# Altium PCB HV_DAC_8ch-DIOT.PCBDOC (part 8 of 11) (continued)
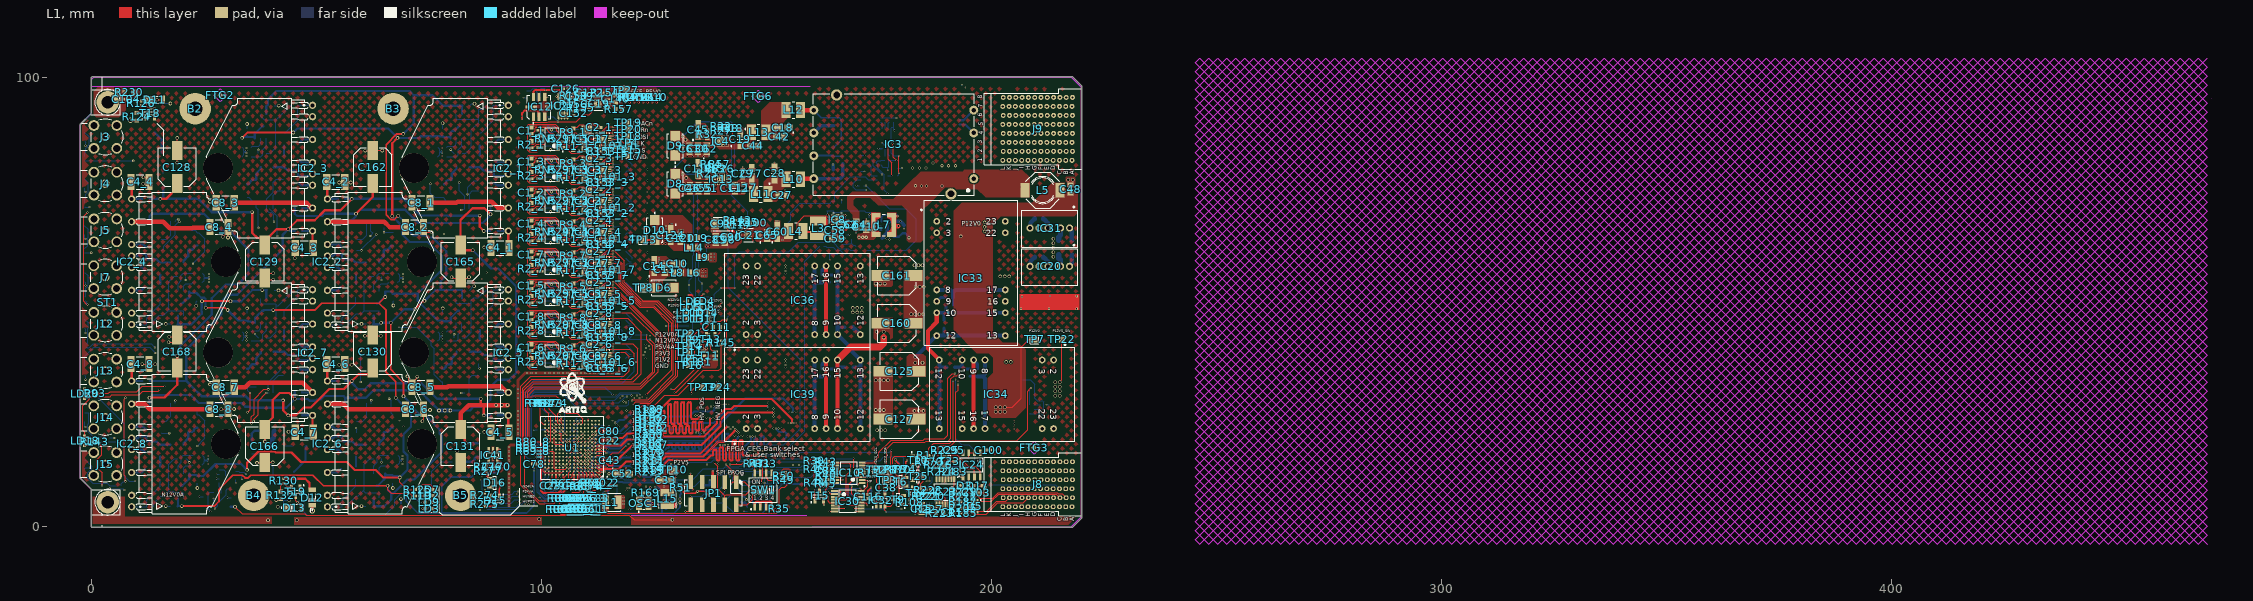
[diagram p0: L1 view]
## Nets (pads, with @x,y where several pads share a name; then routed paths per layer and width w, separated by ;. In a path a pad name is that pad's centre, name@x,y a point inside that pad or via, vN(x,y) a via of type N, cw(c..) or ccw(c..) an arc to the next point about the centre after c; other vN are vias at no path point) (continued)
  other v1: 127.5,63 126.9,63.5 127.5,63.5 126.9,64 127.5,64 126.9,64.5 127.5,64.5
NetC1_1_1: C1_1.1 IC5_1.1 IC5_1.2 R2_1.1 | length 18.3
  L1 w0.127: IC5_1.1@109.163,83.673 IC5_1.1@109.246,83.59
  L1 w0.203: R2_1.1@97.755,85.752 97.755,87.302 98.551,88.098 98.551,88.608 98.754,88.811 100.684,88.811 101.929,87.566 102.468,87.566 103.189,86.845 103.189,86.718 104.05,85.858 104.05,85.241 104.184,85.107 105.71,85.107 106.116,84.701 106.116,83.534 106.565,83.085 108.55,83.085 108.895,83.43 108.961,83.43 109.032,83.502 IC5_1.1@109.032,83.568 ; IC5_1.1@109.163,83.673 IC5_1.1@109.21,83.72
  L1 w0.254: IC5_1.1@109.092,84.086 109.099,84.079 IC5_1.2@109.734,84.079
NetC1_1_2: C1_1.2 R9_1.2 R11_1.1 | length 11.8
  L1 w0.127: C1_1.2@98.166,89.213 101.374,89.213 101.378,89.217 102.735,89.217 103.415,88.538 103.415,88.111 104.094,87.431 106.401,87.431 106.449,87.383 106.893,87.383 R9_1.2@107.153,87.124
  L1 w0.203: R9_1.2@107.102,86.694 R9_1.2@107.102,86.997
  L1 w0.254: R11_1.1@107.102,85.422 107.102,86.694 R9_1.2@107.161,86.753
NetC1_2_1: C1_2.1 IC5_2.1 IC5_2.2 R2_2.1 | length 19.1
  L1 w0.127: IC5_2.1@109.163,69.9 IC5_2.1@109.246,69.817
  L1 w0.203: R2_2.1@97.755,71.979 97.755,73.528 98.542,74.316 ; C1_2.1@97.967,73.741 98.551,74.325 98.551,74.834 98.754,75.038 100.684,75.038 101.929,73.793 102.468,73.793 103.189,73.071 103.189,72.945 104.05,72.085 104.05,71.468 104.184,71.334 105.71,71.334 106.116,70.928 106.116,69.761 106.514,69.363 ; 106.518,69.363 106.514,69.363 ; IC5_2.1@109.032,69.795 109.032,69.729 108.961,69.657 108.895,69.657 108.55,69.312 106.565,69.312 106.514,69.363 ; IC5_2.1@109.163,69.9 IC5_2.1@109.21,69.947
  L1 w0.254: IC5_2.1@109.092,70.313 109.099,70.306 IC5_2.2@109.734,70.306
NetC1_2_2: C1_2.2 R9_2.2 R11_2.1 | length 11.8
  L1 w0.127: C1_2.2@98.166,75.44 101.374,75.44 101.378,75.444 102.735,75.444 103.415,74.765 103.415,74.337 104.094,73.658 106.401,73.658 106.449,73.61 106.893,73.61 R9_2.2@107.153,73.351
  L1 w0.203: R9_2.2@107.102,72.921 R9_2.2@107.102,73.224
  L1 w0.254: R11_2.1@107.102,71.649 107.102,72.921 R9_2.2@107.161,72.98
NetC1_3_1: C1_3.1 IC5_3.1 IC5_3.2 R2_3.1 | length 19.1
  L1 w0.127: IC5_3.1@109.163,76.787 IC5_3.1@109.246,76.704
  L1 w0.203: R2_3.1@97.755,78.866 97.755,80.415 98.542,81.202 ; C1_3.1@97.967,80.627 98.551,81.211 98.551,81.721 98.754,81.924 100.684,81.924 101.929,80.68 102.468,80.68 103.189,79.958 103.189,79.832 104.05,78.971 104.05,78.354 104.184,78.221 105.71,78.221 106.116,77.814 106.116,76.648 106.514,76.249 ; 106.518,76.249 106.514,76.249 ; IC5_3.1@109.032,76.681 109.032,76.615 108.961,76.544 108.895,76.544 108.55,76.199 106.565,76.199 106.514,76.249 ; IC5_3.1@109.163,76.787 IC5_3.1@109.21,76.834
  L1 w0.254: IC5_3.1@109.092,77.2 109.099,77.192 IC5_3.2@109.734,77.192
NetC1_3_2: C1_3.2 R9_3.2 R11_3.1 | length 11.8
  L1 w0.127: C1_3.2@98.166,82.327 101.374,82.327 101.378,82.331 102.735,82.331 103.415,81.651 103.415,81.224 104.094,80.545 106.401,80.545 106.449,80.497 106.893,80.497 R9_3.2@107.153,80.237
  L1 w0.203: R9_3.2@107.102,79.807 R9_3.2@107.102,80.11
  L1 w0.254: R11_3.1@107.102,78.535 107.102,79.807 R9_3.2@107.161,79.867
NetC1_4_1: C1_4.1 IC5_4.1 IC5_4.2 R2_4.1 | length 19.1
  L1 w0.127: IC5_4.1@109.163,63.013 IC5_4.1@109.246,62.931
  L1 w0.203: R2_4.1@97.755,65.092 97.755,66.642 98.542,67.429 ; C1_4.1@97.967,66.854 98.551,67.438 98.551,67.948 98.754,68.151 100.684,68.151 101.929,66.906 102.468,66.906 103.189,66.185 103.189,66.059 104.05,65.198 104.05,64.581 104.184,64.447 105.71,64.447 106.116,64.041 106.116,62.875 106.514,62.476 ; 106.518,62.476 106.514,62.476 ; IC5_4.1@109.032,62.908 109.032,62.842 108.961,62.771 108.895,62.771 108.55,62.425 106.565,62.425 106.514,62.476 ; IC5_4.1@109.163,63.013 IC5_4.1@109.21,63.06
  L1 w0.254: IC5_4.1@109.092,63.427 109.099,63.419 IC5_4.2@109.734,63.419
NetC1_4_2: C1_4.2 R9_4.2 R11_4.1 | length 11.8
  L1 w0.127: C1_4.2@98.166,68.553 101.374,68.553 101.378,68.557 102.735,68.557 103.415,67.878 103.415,67.451 104.094,66.771 106.401,66.771 106.449,66.724 106.893,66.724 R9_4.2@107.153,66.464
  L1 w0.203: R9_4.2@107.102,66.034 R9_4.2@107.102,66.337
  L1 w0.254: R11_4.1@107.102,64.762 107.102,66.034 R9_4.2@107.161,66.094
NetC1_5_1: C1_5.1 IC5_5.1 IC5_5.2 R2_5.1 | length 19.1
  L1 w0.127: IC5_5.1@109.163,49.24 IC5_5.1@109.246,49.157
  L1 w0.203: R2_5.1@97.755,51.319 97.755,52.869 98.542,53.656 ; C1_5.1@97.967,53.081 98.551,53.665 98.551,54.175 98.754,54.378 100.684,54.378 101.929,53.133 102.468,53.133 103.189,52.412 103.189,52.285 104.05,51.425 104.05,50.808 104.184,50.674 105.71,50.674 106.116,50.268 106.116,49.101 106.514,48.703 ; 106.518,48.703 106.514,48.703 ; IC5_5.1@109.032,49.135 109.032,49.069 108.961,48.998 108.895,48.998 108.55,48.652 106.565,48.652 106.514,48.703 ; IC5_5.1@109.163,49.24 IC5_5.1@109.21,49.287
  L1 w0.254: IC5_5.1@109.092,49.653 109.099,49.646 IC5_5.2@109.734,49.646
NetC1_5_2: C1_5.2 R9_5.2 R11_5.1 | length 11.8
  L1 w0.127: C1_5.2@98.166,54.78 101.374,54.78 101.378,54.784 102.735,54.784 103.415,54.105 103.415,53.678 104.094,52.998 106.401,52.998 106.449,52.95 106.893,52.95 R9_5.2@107.153,52.691
  L1 w0.203: R9_5.2@107.102,52.261 R9_5.2@107.102,52.564
  L1 w0.254: R11_5.1@107.102,50.989 107.102,52.261 R9_5.2@107.161,52.32
NetC1_6_1: C1_6.1 IC5_6.1 IC5_6.2 R2_6.1 | length 19.1
  L1 w0.127: IC5_6.1@109.163,35.467 IC5_6.1@109.246,35.384
  L1 w0.203: R2_6.1@97.755,37.546 97.755,39.096 98.542,39.883 ; C1_6.1@97.967,39.308 98.551,39.892 98.551,40.401 98.754,40.605 100.684,40.605 101.929,39.36 102.468,39.36 103.189,38.638 103.189,38.512 104.05,37.652 104.05,37.035 104.184,36.901 105.71,36.901 106.116,36.495 106.116,35.328 106.514,34.93 ; 106.518,34.93 106.514,34.93 ; IC5_6.1@109.032,35.362 109.032,35.296 108.961,35.224 108.895,35.224 108.55,34.879 106.565,34.879 106.514,34.93 ; IC5_6.1@109.163,35.467 IC5_6.1@109.21,35.514
  L1 w0.254: IC5_6.1@109.092,35.88 109.099,35.873 IC5_6.2@109.734,35.873
NetC1_6_2: C1_6.2 R9_6.2 R11_6.1 | length 11.8
  L1 w0.127: C1_6.2@98.166,41.007 101.374,41.007 101.378,41.011 102.735,41.011 103.415,40.332 103.415,39.905 104.094,39.225 106.401,39.225 106.449,39.177 106.893,39.177 R9_6.2@107.153,38.918
  L1 w0.203: R9_6.2@107.102,38.488 R9_6.2@107.102,38.791
  L1 w0.254: R11_6.1@107.102,37.216 107.102,38.488 R9_6.2@107.161,38.547
NetC1_7_1: C1_7.1 IC5_7.1 IC5_7.2 R2_7.1 | length 19.1
  L1 w0.127: IC5_7.1@109.163,56.127 IC5_7.1@109.246,56.044
  L1 w0.203: R2_7.1@97.755,58.206 97.755,59.755 98.542,60.543 ; C1_7.1@97.967,59.967 98.551,60.552 98.551,61.061 98.754,61.264 100.684,61.264 101.929,60.02 102.468,60.02 103.189,59.298 103.189,59.172 104.05,58.312 104.05,57.695 104.184,57.561 105.71,57.561 106.116,57.155 106.116,55.988 106.514,55.59 ; 106.518,55.59 106.514,55.59 ; IC5_7.1@109.032,56.022 109.032,55.956 108.961,55.884 108.895,55.884 108.55,55.539 106.565,55.539 106.514,55.59 ; IC5_7.1@109.163,56.127 IC5_7.1@109.21,56.174
  L1 w0.254: IC5_7.1@109.092,56.54 109.099,56.533 IC5_7.2@109.734,56.533
NetC1_7_2: C1_7.2 R9_7.2 R11_7.1 | length 11.8
  L1 w0.127: C1_7.2@98.166,61.667 101.374,61.667 101.378,61.671 102.735,61.671 103.415,60.991 103.415,60.564 104.094,59.885 106.401,59.885 106.449,59.837 106.893,59.837 R9_7.2@107.153,59.578
  L1 w0.203: R9_7.2@107.102,59.147 R9_7.2@107.102,59.451
  L1 w0.254: R11_7.1@107.102,57.876 107.102,59.147 R9_7.2@107.161,59.207
NetC1_8_1: C1_8.1 IC5_8.1 IC5_8.2 R2_8.1 | length 19.1
  L1 w0.127: IC5_8.1@109.163,42.354 IC5_8.1@109.246,42.271
  L1 w0.203: R2_8.1@97.755,44.433 97.755,45.982 98.542,46.769 ; C1_8.1@97.967,46.194 98.551,46.778 98.551,47.288 98.754,47.491 100.684,47.491 101.929,46.247 102.468,46.247 103.189,45.525 103.189,45.399 104.05,44.539 104.05,43.922 104.184,43.788 105.71,43.788 106.116,43.381 106.116,42.215 106.514,41.817 ; 106.518,41.817 106.514,41.817 ; IC5_8.1@109.032,42.248 109.032,42.182 108.961,42.111 108.895,42.111 108.55,41.766 106.565,41.766 106.514,41.817 ; IC5_8.1@109.163,42.354 IC5_8.1@109.21,42.401
  L1 w0.254: IC5_8.1@109.092,42.767 109.099,42.759 IC5_8.2@109.734,42.759
NetC1_8_2: C1_8.2 R9_8.2 R11_8.1 | length 11.8
  L1 w0.127: C1_8.2@98.166,47.894 101.374,47.894 101.378,47.898 102.735,47.898 103.415,47.218 103.415,46.791 104.094,46.112 106.401,46.112 106.449,46.064 106.893,46.064 R9_8.2@107.153,45.804
  L1 w0.203: R9_8.2@107.102,45.374 R9_8.2@107.102,45.677
  L1 w0.254: R11_8.1@107.102,44.103 107.102,45.374 R9_8.2@107.161,45.434
NetC2_1_1: C2_1.1 IC5_1.6 RN5_1.5 RN5_1.6 RN5_1.7 RN5_1.8 | length 34.8
  L1 w0.127: RN5_1.5@99.178,88.176 RN5_1.5@99.653,88.176 ; RN5_1.8@99.329,84.381 99.202,84.254 99.202,83.593 99.025,83.415 97.221,83.415 96.925,83.712 96.925,85.056 ; RN5_1.6@99.566,86.883 99.156,86.883 98.942,86.669 98.942,86.31 98.688,86.056 98.688,85.466 98.278,85.056 96.925,85.056 ; C2_1.1@112.343,88.811 112.096,89.057 112.096,89.126 111.947,89.275 111.736,89.275 111.592,89.419 110.73,89.419 110.619,89.308 110.619,89.238 110.384,89.004 IC5_1.6@110.384,88.479 110.384,87.954 110.15,87.719 110.15,87.65 109.456,86.957 108.362,86.957 107.633,87.685 104.199,87.685 104.088,87.797 104.088,88.532 103.072,89.547 97.116,89.547 96.925,89.356 96.925,85.056
  L1 w0.254: RN5_1.6@99.618,86.957 99.653,86.992 RN5_1.5@99.653,88.064 ; RN5_1.7@99.723,85.776 RN5_1.6@99.723,87.046
NetC2_1_2: C2_1.2 IC5_1.7 R9_1.1 RN5_1.4 | length 10
  L1 w0.127: R9_1.1@107.102,88.597 107.417,88.912 107.974,88.912 108.481,89.419 109.388,89.419 109.5,89.308 109.5,89.238 IC5_1.7@109.734,89.004 ; IC5_1.7@109.734,88.479 IC5_1.7@109.734,89.004 ; C2_1.2@113.181,88.989 113.065,88.989 112.506,89.547 111.823,89.547 111.697,89.673 110.334,89.673 109.969,89.308 109.969,89.238 IC5_1.7@109.734,89.004
  L1 w0.254: RN5_1.4@105.053,88.176 106.631,88.176 106.814,88.359 106.864,88.359 R9_1.1@107.102,88.597
NetC2_2_1: C2_2.1 IC5_2.6 RN5_2.5 RN5_2.6 RN5_2.7 RN5_2.8 | length 34.8
  L1 w0.127: RN5_2.5@99.178,74.403 RN5_2.5@99.653,74.403 ; RN5_2.8@99.329,70.607 99.202,70.48 99.202,69.82 99.025,69.642 97.221,69.642 96.925,69.938 96.925,71.283 ; RN5_2.6@99.566,73.11 99.156,73.11 98.942,72.896 98.942,72.537 98.688,72.283 98.688,71.693 98.278,71.283 96.925,71.283 ; C2_2.1@112.343,75.038 112.096,75.284 112.096,75.352 111.947,75.502 111.736,75.502 111.592,75.646 110.73,75.646 110.619,75.535 110.619,75.465 110.384,75.231 IC5_2.6@110.384,74.706 110.384,74.181 110.15,73.946 110.15,73.877 109.456,73.183 108.362,73.183 107.633,73.912 104.199,73.912 104.088,74.024 104.088,74.758 103.072,75.774 97.116,75.774 96.925,75.583 96.925,71.283
  L1 w0.254: RN5_2.6@99.618,73.183 99.653,73.219 RN5_2.5@99.653,74.29 ; RN5_2.7@99.723,72.003 RN5_2.6@99.723,73.273
NetC2_2_2: C2_2.2 IC5_2.7 R9_2.1 RN5_2.4 | length 10
  L1 w0.127: R9_2.1@107.102,74.824 107.417,75.139 107.974,75.139 108.481,75.646 109.388,75.646 109.5,75.535 109.5,75.465 IC5_2.7@109.734,75.231 ; IC5_2.7@109.734,74.706 IC5_2.7@109.734,75.231 ; C2_2.2@113.181,75.215 113.065,75.215 112.506,75.774 111.823,75.774 111.697,75.9 110.334,75.9 109.969,75.535 109.969,75.465 IC5_2.7@109.734,75.231
  L1 w0.254: RN5_2.4@105.053,74.403 106.631,74.403 106.814,74.586 106.864,74.586 R9_2.1@107.102,74.824
NetC2_3_1: C2_3.1 IC5_3.6 RN5_3.5 RN5_3.6 RN5_3.7 RN5_3.8 | length 34.8
  L1 w0.127: RN5_3.5@99.178,81.289 RN5_3.5@99.653,81.289 ; RN5_3.8@99.329,77.494 99.202,77.367 99.202,76.707 99.025,76.529 97.221,76.529 96.925,76.825 96.925,78.17 ; RN5_3.6@99.566,79.997 99.156,79.997 98.942,79.783 98.942,79.424 98.688,79.17 98.688,78.579 98.278,78.17 96.925,78.17 ; C2_3.1@112.343,81.924 112.096,82.171 112.096,82.239 111.947,82.389 111.736,82.389 111.592,82.533 110.73,82.533 110.619,82.421 110.619,82.352 110.384,82.117 IC5_3.6@110.384,81.592 110.384,81.067 110.15,80.833 110.15,80.763 109.456,80.07 108.362,80.07 107.633,80.799 104.199,80.799 104.088,80.91 104.088,81.645 103.072,82.661 97.116,82.661 96.925,82.47 96.925,78.17
  L1 w0.254: RN5_3.6@99.618,80.07 99.653,80.106 RN5_3.5@99.653,81.177 ; RN5_3.7@99.723,78.889 RN5_3.6@99.723,80.159
NetC2_3_2: C2_3.2 IC5_3.7 R9_3.1 RN5_3.4 | length 10
  L1 w0.127: R9_3.1@107.102,81.71 107.417,82.026 107.974,82.026 108.481,82.533 109.388,82.533 109.5,82.421 109.5,82.352 IC5_3.7@109.734,82.117 ; IC5_3.7@109.734,81.592 IC5_3.7@109.734,82.117 ; C2_3.2@113.181,82.102 113.065,82.102 112.506,82.661 111.823,82.661 111.697,82.787 110.334,82.787 109.969,82.421 109.969,82.352 IC5_3.7@109.734,82.117
  L1 w0.254: RN5_3.4@105.053,81.289 106.631,81.289 106.814,81.473 106.864,81.473 R9_3.1@107.102,81.71
NetC2_4_1: C2_4.1 IC5_4.6 RN5_4.5 RN5_4.6 RN5_4.7 RN5_4.8 | length 34.8
  L1 w0.127: RN5_4.5@99.178,67.516 RN5_4.5@99.653,67.516 ; RN5_4.8@99.329,63.721 99.202,63.594 99.202,62.933 99.025,62.756 97.221,62.756 96.925,63.052 96.925,64.396 ; RN5_4.6@99.566,66.224 99.156,66.224 98.942,66.009 98.942,65.65 98.688,65.396 98.688,64.806 98.278,64.396 96.925,64.396 ; C2_4.1@112.343,68.151 112.096,68.397 112.096,68.466 111.947,68.616 111.736,68.616 111.592,68.76 110.73,68.76 110.619,68.648 110.619,68.579 110.384,68.344 IC5_4.6@110.384,67.819 110.384,67.294 110.15,67.06 110.15,66.99 109.456,66.297 108.362,66.297 107.633,67.025 104.199,67.025 104.088,67.137 104.088,67.872 103.072,68.888 97.116,68.888 96.925,68.696 96.925,64.396
  L1 w0.254: RN5_4.6@99.618,66.297 99.653,66.332 RN5_4.5@99.653,67.404 ; RN5_4.7@99.723,65.116 RN5_4.6@99.723,66.386
NetC2_4_2: C2_4.2 IC5_4.7 R9_4.1 RN5_4.4 | length 10
  L1 w0.127: R9_4.1@107.102,67.937 107.417,68.253 107.974,68.253 108.481,68.76 109.388,68.76 109.5,68.648 109.5,68.579 IC5_4.7@109.734,68.344 ; IC5_4.7@109.734,67.819 IC5_4.7@109.734,68.344 ; C2_4.2@113.181,68.329 113.065,68.329 112.506,68.888 111.823,68.888 111.697,69.014 110.334,69.014 109.969,68.648 109.969,68.579 IC5_4.7@109.734,68.344
  L1 w0.254: RN5_4.4@105.053,67.516 106.631,67.516 106.814,67.699 106.864,67.699 R9_4.1@107.102,67.937
NetC2_5_1: C2_5.1 IC5_5.6 RN5_5.5 RN5_5.6 RN5_5.7 RN5_5.8 | length 34.8
  L1 w0.127: RN5_5.5@99.178,53.743 RN5_5.5@99.653,53.743 ; RN5_5.8@99.329,49.948 99.202,49.821 99.202,49.16 99.025,48.983 97.221,48.983 96.925,49.279 96.925,50.623 ; RN5_5.6@99.566,52.45 99.156,52.45 98.942,52.236 98.942,51.877 98.688,51.623 98.688,51.033 98.278,50.623 96.925,50.623 ; C2_5.1@112.343,54.378 112.096,54.624 112.096,54.693 111.947,54.842 111.736,54.842 111.592,54.986 110.73,54.986 110.619,54.875 110.619,54.805 110.384,54.571 IC5_5.6@110.384,54.046 110.384,53.521 110.15,53.286 110.15,53.217 109.456,52.524 108.362,52.524 107.633,53.252 104.199,53.252 104.088,53.364 104.088,54.099 103.072,55.114 97.116,55.114 96.925,54.923 96.925,50.623
  L1 w0.254: RN5_5.6@99.618,52.524 99.653,52.559 RN5_5.5@99.653,53.631 ; RN5_5.7@99.723,51.343 RN5_5.6@99.723,52.613
NetC2_5_2: C2_5.2 IC5_5.7 R9_5.1 RN5_5.4 | length 10
  L1 w0.127: R9_5.1@107.102,54.164 107.417,54.479 107.974,54.479 108.481,54.986 109.388,54.986 109.5,54.875 109.5,54.805 IC5_5.7@109.734,54.571 ; IC5_5.7@109.734,54.046 IC5_5.7@109.734,54.571 ; C2_5.2@113.181,54.556 113.065,54.556 112.506,55.114 111.823,55.114 111.697,55.24 110.334,55.24 109.969,54.875 109.969,54.805 IC5_5.7@109.734,54.571
  L1 w0.254: RN5_5.4@105.053,53.743 106.631,53.743 106.814,53.926 106.864,53.926 R9_5.1@107.102,54.164
NetC2_6_1: C2_6.1 IC5_6.6 RN5_6.5 RN5_6.6 RN5_6.7 RN5_6.8 | length 34.8
  L1 w0.127: RN5_6.5@99.178,39.97 RN5_6.5@99.653,39.97 ; RN5_6.8@99.329,36.175 99.202,36.048 99.202,35.387 99.025,35.209 97.221,35.209 96.925,35.506 96.925,36.85 ; RN5_6.6@99.566,38.677 99.156,38.677 98.942,38.463 98.942,38.104 98.688,37.85 98.688,37.26 98.278,36.85 96.925,36.85 ; C2_6.1@112.343,40.605 112.096,40.851 112.096,40.919 111.947,41.069 111.736,41.069 111.592,41.213 110.73,41.213 110.619,41.102 110.619,41.032 110.384,40.798 IC5_6.6@110.384,40.273 110.384,39.748 110.15,39.513 110.15,39.444 109.456,38.75 108.362,38.75 107.633,39.479 104.199,39.479 104.088,39.591 104.088,40.326 103.072,41.341 97.116,41.341 96.925,41.15 96.925,36.85
  L1 w0.254: RN5_6.6@99.618,38.75 99.653,38.786 RN5_6.5@99.653,39.858 ; RN5_6.7@99.723,37.57 RN5_6.6@99.723,38.84
NetC2_6_2: C2_6.2 IC5_6.7 R9_6.1 RN5_6.4 | length 10
  L1 w0.127: R9_6.1@107.102,40.391 107.417,40.706 107.974,40.706 108.481,41.213 109.388,41.213 109.5,41.102 109.5,41.032 IC5_6.7@109.734,40.798 ; IC5_6.7@109.734,40.273 IC5_6.7@109.734,40.798 ; C2_6.2@113.181,40.782 113.065,40.782 112.506,41.341 111.823,41.341 111.697,41.467 110.334,41.467 109.969,41.102 109.969,41.032 IC5_6.7@109.734,40.798
  L1 w0.254: RN5_6.4@105.053,39.97 106.631,39.97 106.814,40.153 106.864,40.153 R9_6.1@107.102,40.391
NetC2_7_1: C2_7.1 IC5_7.6 RN5_7.5 RN5_7.6 RN5_7.7 RN5_7.8 | length 34.8
  L1 w0.127: RN5_7.5@99.178,60.629 RN5_7.5@99.653,60.629 ; RN5_7.8@99.329,56.834 99.202,56.707 99.202,56.047 99.025,55.869 97.221,55.869 96.925,56.165 96.925,57.51 ; RN5_7.6@99.566,59.337 99.156,59.337 98.942,59.123 98.942,58.764 98.688,58.51 98.688,57.92 98.278,57.51 96.925,57.51 ; C2_7.1@112.343,61.264 112.096,61.511 112.096,61.579 111.947,61.729 111.736,61.729 111.592,61.873 110.73,61.873 110.619,61.761 110.619,61.692 110.384,61.458 IC5_7.6@110.384,60.933 110.384,60.408 110.15,60.173 110.15,60.104 109.456,59.41 108.362,59.41 107.633,60.139 104.199,60.139 104.088,60.25 104.088,60.985 103.072,62.001 97.116,62.001 96.925,61.81 96.925,57.51
  L1 w0.254: RN5_7.6@99.618,59.41 99.653,59.446 RN5_7.5@99.653,60.517 ; RN5_7.7@99.723,58.229 RN5_7.6@99.723,59.499
NetC2_7_2: C2_7.2 IC5_7.7 R9_7.1 RN5_7.4 | length 10
  L1 w0.127: R9_7.1@107.102,61.051 107.417,61.366 107.974,61.366 108.481,61.873 109.388,61.873 109.5,61.761 109.5,61.692 IC5_7.7@109.734,61.458 ; IC5_7.7@109.734,60.933 IC5_7.7@109.734,61.458 ; C2_7.2@113.181,61.442 113.065,61.442 112.506,62.001 111.823,62.001 111.697,62.127 110.334,62.127 109.969,61.761 109.969,61.692 IC5_7.7@109.734,61.458
  L1 w0.254: RN5_7.4@105.053,60.629 106.631,60.629 106.814,60.813 106.864,60.813 R9_7.1@107.102,61.051
NetC2_8_1: C2_8.1 IC5_8.6 RN5_8.5 RN5_8.6 RN5_8.7 RN5_8.8 | length 34.8
  L1 w0.127: RN5_8.5@99.178,46.856 RN5_8.5@99.653,46.856 ; RN5_8.8@99.329,43.061 99.202,42.934 99.202,42.274 99.025,42.096 97.221,42.096 96.925,42.392 96.925,43.737 ; RN5_8.6@99.566,45.564 99.156,45.564 98.942,45.35 98.942,44.991 98.688,44.737 98.688,44.146 98.278,43.737 96.925,43.737 ; C2_8.1@112.343,47.491 112.096,47.738 112.096,47.806 111.947,47.956 111.736,47.956 111.592,48.1 110.73,48.1 110.619,47.988 110.619,47.919 110.384,47.684 IC5_8.6@110.384,47.159 110.384,46.634 110.15,46.4 110.15,46.33 109.456,45.637 108.362,45.637 107.633,46.366 104.199,46.366 104.088,46.477 104.088,47.212 103.072,48.228 97.116,48.228 96.925,48.037 96.925,43.737
  L1 w0.254: RN5_8.6@99.618,45.637 99.653,45.673 RN5_8.5@99.653,46.744 ; RN5_8.7@99.723,44.456 RN5_8.6@99.723,45.726
NetC2_8_2: C2_8.2 IC5_8.7 R9_8.1 RN5_8.4 | length 10
  L1 w0.127: R9_8.1@107.102,47.277 107.417,47.593 107.974,47.593 108.481,48.1 109.388,48.1 109.5,47.988 109.5,47.919 IC5_8.7@109.734,47.684 ; IC5_8.7@109.734,47.159 IC5_8.7@109.734,47.684 ; C2_8.2@113.181,47.669 113.065,47.669 112.506,48.228 111.823,48.228 111.697,48.354 110.334,48.354 109.969,47.988 109.969,47.919 IC5_8.7@109.734,47.684
  L1 w0.254: RN5_8.4@105.053,46.856 106.631,46.856 106.814,47.04 106.864,47.04 R9_8.1@107.102,47.277
NetC3_1_1: C3_1.1 IC5_1.5 R153_1.2 | length 9.3
  L1 w0.127: 110.873,87.555 110.873,88.317 IC5_1.5@111.034,88.479 ; C3_1.1@112.343,83.52 112.351,83.52 112.589,83.281 112.589,83.273 112.854,83.009 113.738,83.009 114.226,83.497 R153_1.2@114.226,83.517
  L1 w0.152: IC5_1.5@110.946,88.176 110.885,88.115 110.885,87.568 110.873,87.555 110.594,87.276 110.594,86.895 110.162,86.463 110.162,86.129 110.517,85.774 110.602,85.774 111.462,84.913 111.462,84.422 C3_1.1@112.367,83.517
NetC3_2_1: C3_2.1 IC5_2.5 R153_2.2 | length 9.2
  L1 w0.127: 110.873,73.782 110.873,74.544 IC5_2.5@111.034,74.706 ; C3_2.1@112.367,69.744 112.778,69.333 112.778,69.326 112.868,69.236 113.738,69.236 114.226,69.724 R153_2.2@114.226,69.744
  L1 w0.152: IC5_2.5@110.946,74.403 110.885,74.342 110.885,73.795 110.873,73.782 110.594,73.503 110.594,73.122 110.162,72.69 110.162,72.356 110.517,72 110.602,72 111.462,71.14 111.462,70.648 C3_2.1@112.367,69.744
NetC3_3_1: C3_3.1 IC5_3.5 R153_3.2 | length 9.2
  L1 w0.127: 110.873,80.668 110.873,81.431 IC5_3.5@111.034,81.592 ; C3_3.1@112.367,76.63 112.778,76.219 112.778,76.212 112.868,76.122 113.738,76.122 114.226,76.61 R153_3.2@114.226,76.63
  L1 w0.152: IC5_3.5@110.946,81.289 110.885,81.229 110.885,80.681 110.873,80.668 110.594,80.389 110.594,80.008 110.162,79.577 110.162,79.243 110.517,78.887 110.602,78.887 111.462,78.026 111.462,77.535 C3_3.1@112.367,76.63
NetC3_4_1: C3_4.1 IC5_4.5 R153_4.2 | length 9.2
  L1 w0.127: 110.873,66.895 110.873,67.658 IC5_4.5@111.034,67.819 ; C3_4.1@112.367,62.857 112.778,62.446 112.778,62.439 112.868,62.349 113.738,62.349 114.226,62.837 R153_4.2@114.226,62.857
  L1 w0.152: IC5_4.5@110.946,67.516 110.885,67.455 110.885,66.908 110.873,66.895 110.594,66.616 110.594,66.235 110.162,65.803 110.162,65.469 110.517,65.114 110.602,65.114 111.462,64.253 111.462,63.762 C3_4.1@112.367,62.857
NetC3_5_1: C3_5.1 IC5_5.5 R153_5.2 | length 9.2
  L1 w0.127: 110.873,53.122 110.873,53.884 IC5_5.5@111.034,54.046 ; C3_5.1@112.367,49.084 112.778,48.673 112.778,48.666 112.868,48.576 113.738,48.576 114.226,49.064 R153_5.2@114.226,49.084
  L1 w0.152: IC5_5.5@110.946,53.743 110.885,53.682 110.885,53.135 110.873,53.122 110.594,52.843 110.594,52.462 110.162,52.03 110.162,51.696 110.517,51.341 110.602,51.341 111.462,50.48 111.462,49.989 C3_5.1@112.367,49.084
NetC3_6_1: C3_6.1 IC5_6.5 R153_6.2 | length 9.2
  L1 w0.127: 110.873,39.349 110.873,40.111 IC5_6.5@111.034,40.273 ; C3_6.1@112.367,35.311 112.778,34.9 112.778,34.893 112.868,34.803 113.738,34.803 114.226,35.291 R153_6.2@114.226,35.311
  L1 w0.152: IC5_6.5@110.946,39.97 110.885,39.909 110.885,39.362 110.873,39.349 110.594,39.07 110.594,38.689 110.162,38.257 110.162,37.923 110.517,37.567 110.602,37.567 111.462,36.707 111.462,36.215 C3_6.1@112.367,35.311
NetC3_7_1: C3_7.1 IC5_7.5 R153_7.2 | length 9.2
  L1 w0.127: 110.873,60.009 110.873,60.771 IC5_7.5@111.034,60.933 ; C3_7.1@112.367,55.971 112.778,55.56 112.778,55.553 112.868,55.463 113.738,55.463 114.226,55.951 R153_7.2@114.226,55.971
  L1 w0.152: IC5_7.5@110.946,60.629 110.885,60.569 110.885,60.021 110.873,60.009 110.594,59.73 110.594,59.349 110.162,58.917 110.162,58.583 110.517,58.227 110.602,58.227 111.462,57.367 111.462,56.875 C3_7.1@112.367,55.971
NetC3_8_1: C3_8.1 IC5_8.5 R153_8.2 | length 9.2
  L1 w0.127: 110.873,46.235 110.873,46.998 IC5_8.5@111.034,47.159 ; C3_8.1@112.367,42.198 112.778,41.787 112.778,41.779 112.868,41.69 113.738,41.69 114.226,42.178 R153_8.2@114.226,42.198
  L1 w0.152: IC5_8.5@110.946,46.856 110.885,46.796 110.885,46.248 110.873,46.235 110.594,45.956 110.594,45.575 110.162,45.144 110.162,44.81 110.517,44.454 110.602,44.454 111.462,43.594 111.462,43.102 C3_8.1@112.367,42.198
NetC4_1_2: C4_1.2 IC2_1.12 R16_1.1 | length 6.2
  L1 w0.5: IC2_1.12@92.611,65.806 92.611,62.156 C4_1.2@92.735,62.032
  L8 w0.512: R16_1.1@90.253,65.806 IC2_1.12@92.611,65.806
NetC4_2_2: C4_2.2 IC2_2.12 R16_2.1 | length 6.2
  L1 w0.5: C4_2.2@52.265,76.714 52.389,76.59 IC2_2.12@52.389,72.94
  L8 w0.512: IC2_2.12@52.389,72.94 R16_2.1@54.747,72.94
NetC4_3_2: C4_3.2 IC2_3.12 R16_3.1 | length 6.2
  L1 w0.5: IC2_3.12@49.111,65.806 49.111,62.156 C4_3.2@49.235,62.032
  L8 w0.512: R16_3.1@46.753,65.806 IC2_3.12@49.111,65.806
NetC4_4_2: C4_4.2 IC2_4.12 R16_4.1 | length 6.2
  L1 w0.5: C4_4.2@8.765,76.714 8.889,76.59 IC2_4.12@8.889,72.94
  L8 w0.512: IC2_4.12@8.889,72.94 R16_4.1@11.247,72.94
NetC4_5_2: C4_5.2 IC2_5.12 R16_5.1 | length 6.2
  L1 w0.5: IC2_5.12@92.611,24.806 92.611,21.156 C4_5.2@92.735,21.032
  L8 w0.512: R16_5.1@90.253,24.806 IC2_5.12@92.611,24.806
NetC4_6_2: C4_6.2 IC2_6.12 R16_6.1 | length 6.2
  L1 w0.5: C4_6.2@52.265,36.214 52.389,36.09 IC2_6.12@52.389,32.44
  L8 w0.512: IC2_6.12@52.389,32.44 R16_6.1@54.747,32.44
NetC4_7_2: C4_7.2 IC2_7.12 R16_7.1 | length 6.2
  L1 w0.5: IC2_7.12@49.111,24.806 49.111,21.156 C4_7.2@49.235,21.032
  L8 w0.512: R16_7.1@46.753,24.806 IC2_7.12@49.111,24.806
NetC4_8_2: C4_8.2 IC2_8.12 R16_8.1 | length 6.2
  L1 w0.5: C4_8.2@8.765,36.214 8.889,36.09 IC2_8.12@8.889,32.44
  L8 w0.512: IC2_8.12@8.889,32.44 R16_8.1@11.247,32.44
NetC6_1_1: C6_1.1 IC2_1.4 | length 3.3
  L8 w0.512: C6_1.1@89.663,85.389 90.4,86.126 IC2_1.4@92.611,86.126
NetC6_1_2: C6_1.2 IC2_1.6 | length 3.2
  L8 w0.512: C6_1.2@89.663,81.603 90.22,81.046 IC2_1.6@92.611,81.046
NetC6_2_1: C6_2.1 IC2_2.4 | length 3.3
  L8 w0.512: IC2_2.4@52.389,52.62 54.6,52.62 C6_2.1@55.337,53.357
NetC6_2_2: C6_2.2 IC2_2.6 | length 3.2
  L8 w0.512: IC2_2.6@52.389,57.7 54.78,57.7 C6_2.2@55.337,57.143